# Altium PCB PCB3.PcbDoc
Units mm, origin at the board's own origin, x right, y up, seen from the top; angles counter-clockwise.
Board outline 199.97 x 144.74 mm, 2 copper layers (Top Layer, Bottom Layer); 209 components, 192 nets, 715 pads, 0 vias.
Unrouted connection lines stored in the file: 476.
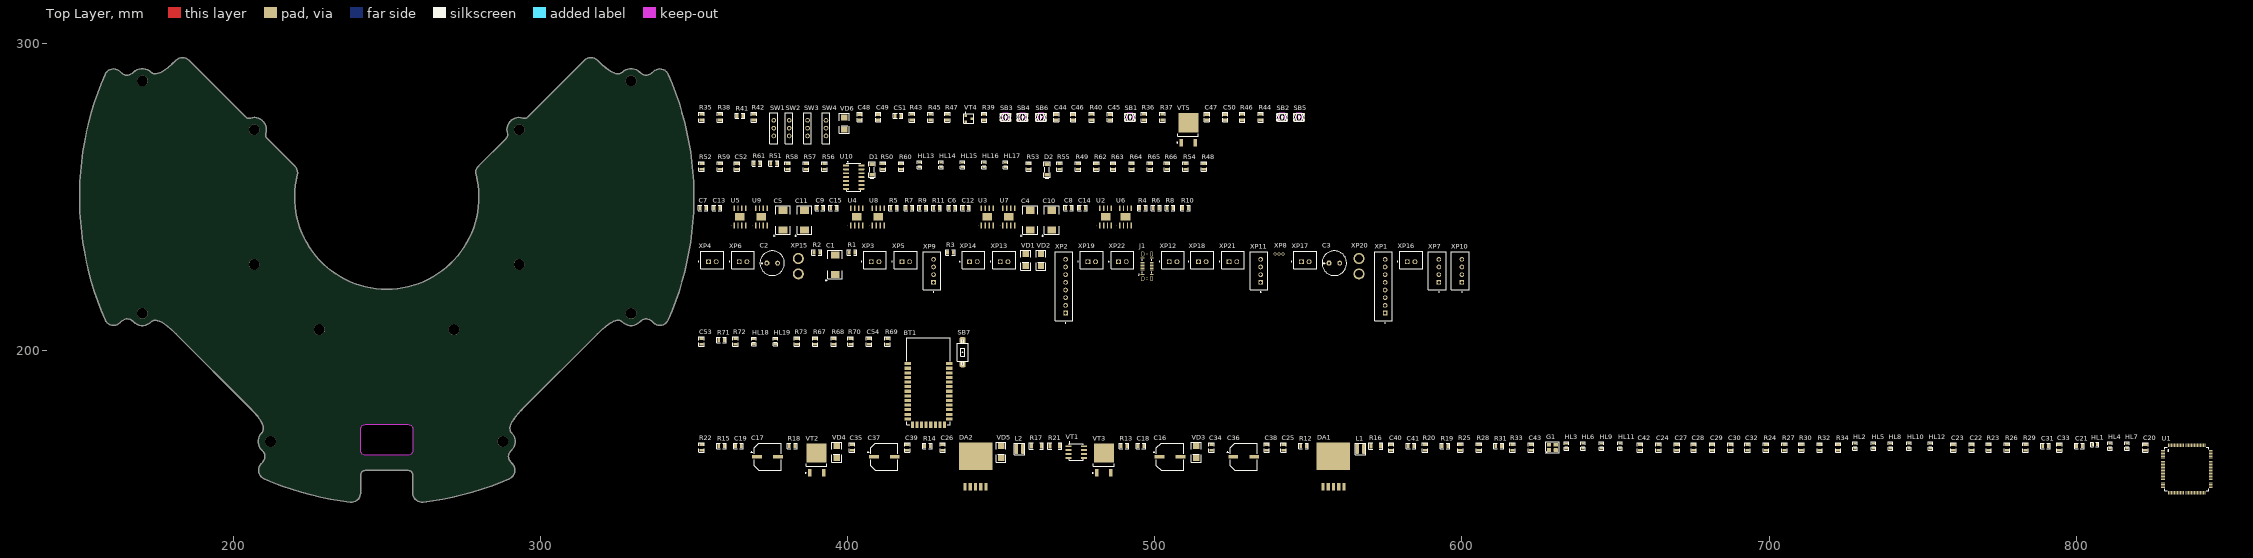
[diagram p0: Top Layer view]
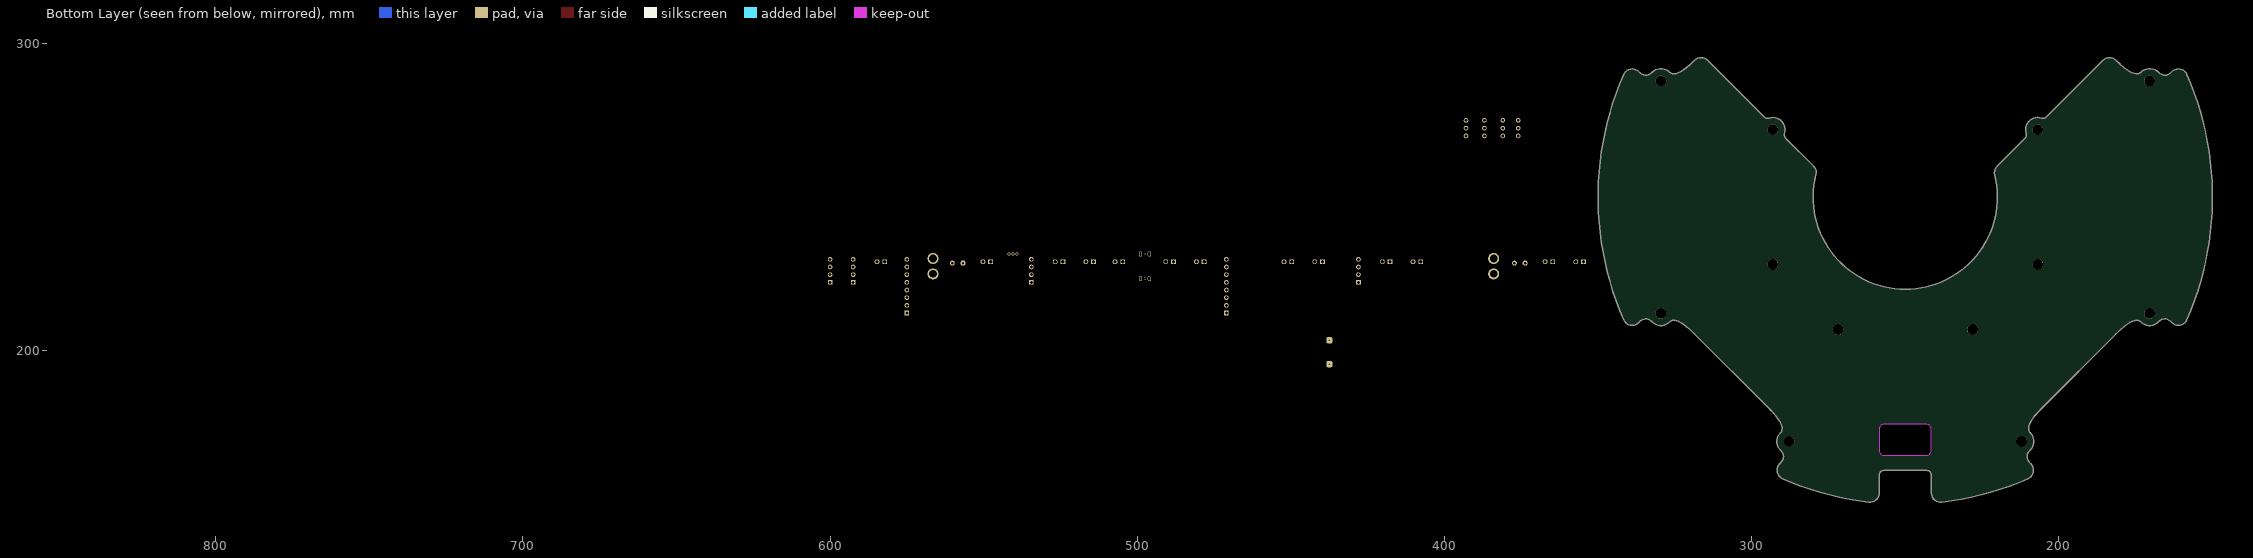
[diagram p1: Bottom Layer view, seen from below]

## Layer stack, top to bottom
Top Solder: solder mask 0.0102, Solder Resist, Dk 3.5
Top Layer: signal copper 0.0356
Dielectric 1: dielectric 0.32, FR-4, Dk 4.8
Bottom Layer: signal copper 0.0356
Bottom Solder: solder mask 0.0102, Solder Resist, Dk 3.5

## Board outline
502 vertices, not listed, extent 150.013,150.691 349.987,295.426
cut-out: 257,166 243,166 242.666,166.038 242.349,166.149 242.065,166.327 241.827,166.565 241.649,166.849 241.538,167.166 241.5,167.5 241.5,174.5 241.538,174.834 241.649,175.151 241.827,175.435 242.065,175.673 242.349,175.851 242.666,175.962 243,176 257,176 257.334,175.962 257.651,175.851 257.935,175.673 258.173,175.435 258.351,175.151 258.462,174.834 258.5,174.5 258.5,167.5 258.462,167.166 258.351,166.849 258.173,166.565 257.935,166.327 257.651,166.149 257.334,166.038

## Design rules (kind name [scope] priority, off if disabled: settings)
Clearance [All] p1: gap=0.254 ignorepadtopadclearanceinfootprint=FALSE except(0: Arc-Hole Track-Hole SMDPad-Hole THPad-Hole Via-Hole Fill-Hole Poly-Hole Region-Hole Text-Hole)
PolygonConnect [All] p1: connectstyle=Relief reliefconductorwidth=0.254 reliefentries=4 polygonreliefangle="90 Angle" airgapwidth=0.254
RoomDefinition U_switches [InComponentClass('U_switches')] p1: confinementstyle=ConfineIn formatcopy=TRUE lockcomponents=FALSE outline 350.999,265.999 549.999,265.999 549.999,280.499 350.999,280.499
RoomDefinition U_indicator [InComponentClass('U_indicator')] p2: confinementstyle=ConfineIn formatcopy=TRUE lockcomponents=FALSE outline 350.999,251.499 519.999,251.499 519.999,264.999 350.999,264.999
RoomDefinition U_drv [InComponentClass('U_drv')] p3: confinementstyle=ConfineIn formatcopy=TRUE lockcomponents=FALSE outline 350.999,236.5 512.999,236.5 512.999,250.499 350.999,250.499
RoomDefinition U_connectors [InComponentClass('U_connectors')] p4: confinementstyle=ConfineIn formatcopy=TRUE lockcomponents=FALSE outline 350.999,208.5 602.999,208.5 602.999,236 350.999,236
RoomDefinition U_bluetooth [InComponentClass('U_bluetooth')] p5: confinementstyle=ConfineIn formatcopy=TRUE lockcomponents=FALSE outline 350.999,174 440.499,174 440.499,207.5 350.999,207.5
RoomDefinition main [InComponentClass('main')] p6: confinementstyle=ConfineIn formatcopy=TRUE lockcomponents=FALSE outline 350.999,152.5 844.998,152.5 844.998,173.5 350.999,173.5
RoutingVias [All] p1: holewidth=0.711 width=1.27 viastyle="Through Hole" minholewidth=0.711 minwidth=1.27 maxholewidth=0.711 maxwidth=1.27
SolderMaskExpansion [All] p1: expansion=0.102
Width [All] p1: maxlimit=0.254 minlimit=0.254 preferedwidth=0.254
30 further rules are at their usual default settings.

## Classes and differential pairs
component class U_switches: C44 C45 C46 C47 C48 C49 C50 C51 R35 R36 R37 R38 R39 R40 R41 R42 R43 R44 R45 R46 R47 SB1 SB2 SB3 SB4 SB5 SB6 SW1 SW2 SW3 SW4 VD6 VT4 VT5
component class U_indicator: C52 D1 D2 HL13 HL14 HL15 HL16 HL17 R48 R49 R50 R51 R52 R53 R54 R55 R56 R57 R58 R59 R60 R61 R62 R63 R64 R65 R66 U10
component class U_drv: C4 C5 C6 C7 C8 C9 C10 C11 C12 C13 C14 C15 R4 R5 R6 R7 R8 R9 R10 R11 U2 U3 U4 U5 U6 U7 U8 U9
component class U_connectors: C1 C2 C3 J1 R1 R2 R3 VD1 VD2 XP1 XP2 XP3 XP4 XP5 XP6 XP7 XP8 XP9 XP10 XP11 XP12 XP13 XP14 XP15 XP16 XP17 XP18 XP19 XP20 XP21 XP22
component class U_bluetooth: BT1 C53 C54 HL18 HL19 R67 R68 R69 R70 R71 R72 R73 SB7
component class main: C16 C17 C18 C19 C20 C21 C22 C23 C24 C25 C26 C27 C28 C29 C30 C31 C32 C33 C34 C35 C36 C37 C38 C39 C40 C41 C42 C43 DA1 DA2 G1 HL1 HL2 HL3 HL4 HL5 HL6 HL7 HL8 HL9 HL10 HL11 HL12 L1 L2 R12 R13 R14 R15 R16 R17 R18 R19 R20 R21 R22 R23 R24 R25 R26 R27 R28 R29 R30 R31 R32 R33 R34 U1 VD3 VD4 VD5 VT1 VT2 VT3

## Components (designator, comment, footprint, x,y, rotation, side; value= is the part's Value field where it differs from the comment)
BT1 "HC-05" HC-05 426.499,189 r0 top
C1 "47uF" CAP_TANT_D 395.999,228 r90 top
C2 "470uF" D8C3.5H12 375.499,228.5 r0 top
C3 "25v 470uF" D8C3.5H12 558.499,228.5 r0 top
C4 "25v 47uF" CAP_TANT_D 459.499,242.5 r90 top
C5 "25v 47uF" CAP_TANT_D 378.999,242.5 r90 top
C6 "0.1uF" CAP0805 433.999,246.5 r0 top
C7 "0.1uF" CAP0805 352.999,246.5 r0 top
C8 "0.1uF" CAP0805 471.999,246.5 r0 top
C9 "0.1uF" CAP0805 390.999,246.5 r0 top
C10 "25v 47uF" CAP_TANT_D 466.499,242.5 r90 top
C11 "25v 47uF" CAP_TANT_D 385.999,242.5 r90 top
C12 "0.1uF" CAP0805 438.499,246.5 r0 top
C13 "0.1uF" CAP0805 357.499,246.5 r0 top
C14 "0.1uF" CAP0805 476.499,246.5 r0 top
C15 "0.1uF" CAP0805 395.499,246.5 r0 top
C16 "220uF" D8C3.2H12 504.999,165.5 r0 top
C17 "220uF" D8C3.2H12 373.999,165.5 r0 top
C18 "1uF" CAP0805 495.499,169 r0 top
C19 "1uF" CAP0805 364.499,169 r0 top
C20 "1uF" CAP0805 822.498,168.5 r90 top
C21 "0.1uF" CAP0805 800.998,169 r0 top
C22 "1uF" CAP0805 765.998,168.5 r90 top
C23 "0.1uF" CAP0805 759.998,168.5 r90 top
C24 "0.1uF" CAP0805 663.999,168.5 r90 top
C25 "1uF" CAP0805 541.999,168.5 r90 top
C26 "1uF" CAP0805 430.999,168.5 r90 top
C27 "0.1uF" CAP0805 669.999,168.5 r90 top
C28 "0.1uF" CAP0805 675.499,168.5 r90 top
C29 "0.1uF" CAP0805 681.499,168.5 r90 top
C30 "0.1uF" CAP0805 687.499,168.5 r90 top
C31 "0.1uF" CAP0805 789.998,169 r0 top
C32 "0.1uF" CAP0805 692.999,168.5 r90 top
C33 "1uF" CAP0805 794.498,168.5 r90 top
C34 "1uF" CAP0805 518.499,168.5 r90 top
C35 "1uF" CAP0805 401.499,168.5 r90 top
C36 "330uF" D8C3.2H12 528.999,165.5 r0 top
C37 "330uF" D8C3.2H12 411.999,165.5 r0 top
C38 "33nF" CAP0805 536.499,168.5 r90 top
C39 "33nF" CAP0805 419.499,168.5 r90 top
C40 "2.2uF" CAP0805 576.999,168.5 r90 top
C41 "2.2uF" CAP0805 583.499,169 r0 top
C42 "20pF" CAP0805 657.999,168.5 r90 top
C43 "20pF" CAP0805 622.499,168.5 r90 top
C44 "1uF" CAP0805 467.999,275.999 r90 top
C45 "0.1uF" CAP0805 485.499,275.999 r90 top
C46 "10uF" CAP0805 473.499,275.999 r90 top
C47 "1uF" CAP0805 516.999,275.999 r90 top
C48 "1uF" CAP0805 403.999,275.999 r90 top
C49 "1uF" CAP0805 409.999,275.999 r90 top
C50 "1uF" CAP0805 522.999,275.999 r90 top
C51 "1uF" CAP0805 416.499,276.499 r0 top
C52 "0.1uF" CAP0805 363.999,259.999 r90 top
C53 "0.1uF" CAP0805 352.499,203 r90 top
C54 "0.1uF" CAP0805 406.999,203 r90 top
D1 "3.3V" SOD-80 407.999,258.999 r90 top
D2 "8.2V" SOD-80 464.999,258.999 r90 top
DA1 "XL4015" TO263-5L 557.999,162 r0 top
DA2 "XL4015" TO263-5L 441.499,162 r0 top
G1 "8 MHz" TSX-3225 629.499,168.5 r0 top
HL1 "LED1" LED0603_WHITE 805.998,169.5 r0 top
HL2 "BG" LED0603_WHITE 727.999,169 r90 top
HL3 "48V" LED0603_GREEN 633.999,169 r90 top
HL4 "LED2" LED0603_WHITE 810.998,169 r90 top
HL5 "YG" LED0603_WHITE 733.999,169 r90 top
HL6 "12V" LED0603_GREEN 639.499,169 r90 top
HL7 "LED3" LED0603_WHITE 816.498,169 r90 top
HL8 "ST" LED0603_WHITE 739.499,169 r90 top
HL9 "5V" LED0603_GREEN 645.499,169 r90 top
HL10 "GK" LED0603_WHITE 745.499,169 r90 top
HL11 "3V3" LED0603_GREEN 651.499,169 r90 top
HL12 "M_ON" LED0603_RED 752.498,169 r90 top
HL13 "White" LED0603_GREEN 423.499,260.499 r90 top
HL14 "White" LED0603_GREEN 430.499,260.499 r90 top
HL15 "White" LED0603_GREEN 437.499,260.499 r90 top
HL16 "White" LED0603_GREEN 444.499,260.499 r90 top
HL17 "Red" LED0603_RED 451.499,260.499 r90 top
HL18 "White" LED0603_WHITE 369.499,203 r90 top
HL19 "White" LED0603_WHITE 376.499,203 r90 top
J1 "USB" USB-C 497.499,227.5 r90 top
L1 "47uH" VLS3012HBX 566.999,168 r0 top
L2 "47uH" VLS3012HBX 455.999,168 r0 top
R1 "70R" RES0805 401.499,232 r0 top
R2 "10K" RES0805 389.999,232 r0 top
R3 "10K" RES0805 433.499,232 r0 top
R4 "10K" RES0805 495.999,246.5 r0 top
R5 "10K" RES0805 414.999,246.5 r0 top
R6 "10K" RES0805 500.499,246.5 r0 top
R7 "10K" RES0805 419.999,246.5 r0 top
R8 "10K" RES0805 504.999,246.5 r0 top
R9 "10K" RES0805 424.499,246.5 r0 top
R10 "10K" RES0805 509.999,246.5 r0 top
R11 "10K" RES0805 428.999,246.5 r0 top
R12 "22K" RES0805 548.499,169 r0 top
R13 "13K" RES0805 489.999,169 r0 top
R14 "30K" RES0805 425.999,169 r0 top
R15 "10K" RES0805 358.999,169 r0 top
R16 "0R" RES1206 571.999,169 r0 top
R17 "0R" RES1206 461.499,169 r0 top
R18 "10K" RES0805 381.999,169 r0 top
R19 "10K" RES0805 594.499,169 r0 top
R20 "10K" RES0805 587.999,168.5 r90 top
R21 "15R" RES1206 467.499,169 r0 top
R22 "10K" RES0805 352.499,168.5 r90 top
R23 "1K" RES0805 771.498,168.5 r90 top
R24 "1K" RES0805 698.999,168.5 r90 top
R25 "22K" RES0805 599.499,168.5 r90 top
R26 "1K" RES0805 777.498,168.5 r90 top
R27 "1K" RES0805 704.999,168.5 r90 top
R28 "4.7K" RES0805 605.499,168.5 r90 top
R29 "1K" RES0805 783.498,168.5 r90 top
R30 "1K" RES0805 710.499,168.5 r90 top
R31 "1.5K" RES0805 611.999,169 r0 top
R32 "1K" RES0805 716.499,168.5 r90 top
R33 "1K" RES0805 616.499,168.5 r90 top
R34 "1K" RES0805 722.499,168.5 r90 top
R35 "10K" RES0805 352.499,275.999 r90 top
R36 "10K" RES0805 496.499,275.999 r90 top
R37 "100K" RES0805 502.499,275.999 r90 top
R38 "10K" RES0805 358.499,275.999 r90 top
R39 "300K" RES0805 444.499,275.999 r90 top
R40 "100K" RES0805 479.499,275.999 r90 top
R41 "10K" RES0805 364.999,276.499 r0 top
R42 "10K" RES0805 369.499,275.999 r90 top
R43 "10K" RES0805 420.999,275.999 r90 top
R44 "10K" RES0805 534.499,275.999 r90 top
R45 "10K" RES0805 426.999,275.999 r90 top
R46 "10K" RES0805 528.499,275.999 r90 top
R47 "10K" RES0805 432.499,275.999 r90 top
R48 "1K" RES0805 515.999,259.999 r90 top
R49 "13K" RES0805 474.999,259.999 r90 top
R50 "1K" RES0805 411.499,259.999 r90 top
R51 "39K" RES0805 375.999,260.999 r0 top
R52 "11K" RES0805 352.499,259.999 r90 top
R53 "1K" RES0805 458.999,259.999 r90 top
R54 "10K" RES0805 509.999,259.999 r90 top
R55 "27K" RES0805 468.999,259.999 r90 top
R56 "1K" RES0805 392.499,259.999 r90 top
R57 "1K" RES0805 386.499,259.999 r90 top
R58 "1K" RES0805 380.499,259.999 r90 top
R59 "24K" RES0805 358.499,259.999 r90 top
R60 "10K" RES0805 417.499,259.999 r90 top
R61 "5.1K" RES0805 370.499,260.999 r0 top
R62 "1K" RES0805 480.999,259.999 r90 top
R63 "1K" RES0805 486.499,259.999 r90 top
R64 "1K" RES0805 492.499,259.999 r90 top
R65 "1K" RES0805 498.499,259.999 r90 top
R66 "4.7K" RES0805 503.999,259.999 r90 top
R67 "10K" RES0805 389.499,203 r90 top
R68 "10K" RES0805 395.499,203 r90 top
R69 "0R" RES0805 412.999,203 r90 top
R70 "0R" RES0805 400.999,203 r90 top
R71 "1K" RES0805 358.999,203.5 r0 top
R72 "1K" RES0805 363.499,203 r90 top
R73 "10K" RES0805 383.499,203 r90 top
SB1 "POWER" TL3700AF160QG 491.999,275.999 r0 top
SB2 "RESET" TL3700AF160QG 541.499,275.999 r0 top
SB3 "BTN1" TL3700AF160QG 451.499,275.999 r0 top
SB4 "BTN2" TL3700AF160QG 456.999,275.999 r0 top
SB5 "RESET_IMU" TL3700AF160QG 546.999,275.999 r0 top
SB6 "BTN3" TL3700AF160QG 462.999,275.999 r0 top
SB7 "#NAME?" "PTS636 SP43 LFS" 437.499,199.5 r90 top
SW1 "ESP1010" ESP1010 375.999,272.499 r90 top
SW2 "ESP1010" ESP1010 380.999,272.499 r90 top
SW3 "ESP1010" ESP1010 386.999,272.499 r90 top
SW4 "ESP1010" ESP1010 392.999,272.499 r90 top
U1 "STM32F407VGT6" LQFP100 835.998,161.5 r0 top
U2 "DRV8870" HSOP-8 483.999,243.5 r0 top
U3 "DRV8870" HSOP-8 445.499,243.5 r0 top
U4 "DRV8870" HSOP-8 402.999,243.5 r0 top
U5 "DRV8870" HSOP-8 364.999,243.5 r0 top
U6 "DRV8870" HSOP-8 490.499,243.5 r0 top
U7 "DRV8870" HSOP-8 452.499,243.5 r0 top
U8 "DRV8870" HSOP-8 409.999,243.5 r0 top
U9 "DRV8870" HSOP-8 371.999,243.5 r0 top
U10 "SOIC-14" SOIC-14 401.999,256.499 r0 top
VD1 "Diode TVS" "DO-214AC (SMA)" 457.999,229.5 r90 top
VD2 "Diode TVS" "DO-214AC (SMA)" 462.999,229.5 r90 top
VD3 "Diode Schottky" "DO-214AC (SMA)" 513.499,167 r90 top
VD4 "Diode Schottky" "DO-214AC (SMA)" 396.499,167 r90 top
VD5 "Diode Schottky" "DO-214AC (SMA)" 449.999,167 r90 top
VD6 "Diode Schottky" "DO-214AC (SMA)" 398.999,273.999 r90 top
VT1 "IRS4427" SOIC-8 474.499,167 r0 top
VT2 "STD30NF06L" DPAK 389.999,163.5 r90 top
VT3 "TPSTD10P6F6" DPAK 483.499,163.5 r90 top
VT4 "IRLML2502" SOT-23-3 439.499,275.499 r0 top
VT5 "FDD6637" DPAK 510.999,270.999 r90 top
XP1 "Line Board" JST_XH-8 574.999,221 r90 top
XP2 "Line Board" JST_XH-8 470.999,221 r90 top
XP3 "BALL_LED" JST_XH-2 408.999,229.5 r0 top
XP4 "CAP" JST_XH-2 355.999,229.5 r0 top
XP5 "BALL_SEN" JST_XH-2 418.999,229.5 r0 top
XP6 "Solenoid" JST_XH-2 365.999,229.5 r0 top
XP7 "HC-05" JST_XH-4 591.999,226 r90 top
XP8 "ST-Lnk" 3x1.27 540.499,231.5 r0 top
XP9 "OpenMV" JST_XH-4 427.499,226 r90 top
XP10 "IMU" JST_XH-4 599.499,226 r90 top
XP11 "HC-05" JST_XH-4 533.999,226 r90 top
XP12 "OpenMV" JST_XH-2 505.999,229.5 r0 top
XP13 "OpenMV" JST_XH-2 450.999,229.5 r0 top
XP14 "ESC_IN" JST_XH-2 440.999,229.5 r0 top
XP15 "ESC_PWR" XT30_3D 383.999,227.5 r90 top
XP16 "M1" JST_XH-2 583.499,229.5 r0 top
XP17 "M2" JST_XH-2 548.999,229.5 r0 top
XP18 "M3" JST_XH-2 515.499,229.5 r0 top
XP19 "M4" JST_XH-2 479.499,229.5 r0 top
XP20 "XT30" XT30_3D 566.499,227.5 r90 top
XP21 "XL6009 IN" JST_XH-2 525.499,229.5 r0 top
XP22 "XL6009 OUT" JST_XH-2 489.499,229.5 r0 top

## Footprints (in the part's own frame and the unit in brackets; to place one, negate y for a bottom-side part, rotate by r counter-clockwise, add the part's x,y. Pads: shape width x height; smd on the part's side, far side on the other; paste and mask are expansions set on the pad)
3x1.27 [mm]
  round 1 hole 0.6: 1(-1.27,0) 2(0,0) 3(1.27,0)
  body extent -1.9,-1.23 1.9,1.27, height 4.1
CAP0805 [mm] "SMD ceramic capacitor 0805"
  rect 0.9x1.397 smd: 1(-0.929,0.006) 2(0.931,0.006)
  silkscreen extent -1.55,-0.88 1.55,0.88, body extent -1,-0.63 1,0.62, height 1.24
CAP_TANT_D [mil]
  rect 90x110 smd: 1(126.76,-0.24) 2(-125.2,-0.24)
  silkscreen extent -211,-94 184,125, body extent -148,-89 148,89, height 122
D8C3.2H12 [mm]
  rect 3.2x1.2 smd: 1(-3.4,0) 2(3.4,0)
  round 0.5 on Mech1: ""(-4.3,-3.7)
  silkscreen extent -5.5,-4.4 4.4,4.4, body extent -4.85,-4.25 4.85,4.25, height 10.5
D8C3.5H12 [mm] "Polar capacitor, diameter 8 mm, leads clearance 3.5 mm, height 12 mm"
  oct 1.6x1.6 hole 0.8: 1(-1.75,0)
  round 1.6 hole 0.8: 2(1.75,0)
  silkscreen extent -4,-4 4,4, body extent -4.25,-4.25 4.25,4.25, height 13
"DO-214AC (SMA)" [mm] "SMA"
  rrect0% 2x2.1 smd: A(1.95,0.003) K(-1.95,0.003)
  silkscreen extent -3.25,-1.6 3.22,1.6, body extent -2.65,-1.4 2.65,1.4, height 2.3
DPAK [mm] "TO-252"
  rect 6.25x6.5 smd: D(3.219,0.034)
  rect 2.5x1.2 smd: G(-3.281,2.324) S(-3.281,-2.256)
  round 0.5 on Mech1: ""(-3.231,2.934)
  silkscreen extent -3.41,-3.27 -0.33,3.75, body extent -3.83,-3.28 6.27,3.45, height 2.37
ESP1010 [mm] "Slide switch"
  round 1.5 hole 0.9: 1(-2.596,-0.014) 2(-0.056,-0.014) 3(2.484,-0.014)
  silkscreen extent -5.06,-1.24 4.94,1.26, body extent -5.06,-1.24 4.94,1.26, height 6.55
HC-05 [mm] "Bluetooth HC-05"
  rect 2.2x1 smd: 1(-6.886,6.787) 2(-6.886,5.287) 3(-6.886,3.787) 4(-6.886,2.287) 5(-6.886,0.787) 6(-6.886,-0.713) 7(-6.886,-2.213) 8(-6.886,-3.713) 9(-6.886,-5.213) 10(-6.886,-6.713) 11(-6.886,-8.213) 12(-6.886,-9.713) 13(-6.886,-11.213) 22(6.614,-11.213) 23(6.614,-9.713) 24(6.614,-8.213) 25(6.614,-6.713) 26(6.614,-5.213) 27(6.614,-3.713) 28(6.614,-2.213) 29(6.614,-0.713) 30(6.614,0.787) 31(6.614,2.287) 32(6.614,3.787) 33(6.614,5.287) 34(6.614,6.787)
  rect 1x2.2 smd: 14(-5.386,-13.113) 15(-3.886,-13.113) 16(-2.386,-13.113) 17(-0.886,-13.113) 18(0.614,-13.113) 19(2.114,-13.113) 20(3.614,-13.113) 21(5.114,-13.113)
  round 0.5 on Mech1: 33(-6.586,7.787)
  round 0.5 on Top Overlay: 34(-7.686,7.787)
  silkscreen extent -7.19,-13.06 7.01,15.14, body extent -6.55,-12.95 6.45,13.95, height 2.2
HSOP-8 [mm]
  rect 0.45x1.9 smd: 1(-1.897,-2.75) 2(-0.627,-2.75) 3(0.643,-2.75) 4(1.913,-2.75) 5(1.913,2.85) 6(0.643,2.85) 7(-0.627,2.85) 8(-1.897,2.85)
  rect 3.1x2.4 smd: 9(0.008,0.05)
  body extent -2.44,-2.9 2.46,3, height 1.46
JST_XH-2 [mm] "JST_B2B-XH-A(LF)(SN)"
  rect 1.575x1.575 / inner round 1.575 / far side rect 1.575x1.575 hole 1.05: 1(-1.25,-0.525)
  round 1.575 hole 1.05: 2(1.25,-0.525)
  silkscreen extent -4.55,-2.88 3.7,2.88, body extent -3.7,-2.88 3.7,2.88, height 7
JST_XH-4 [mm] "JST_B4B-XH-A(LF)(SN)"
  rect 1.508x1.508 / inner round 1.508 / far side rect 1.508x1.508 hole 1: 1(-3.75,-0.525)
  round 1.508 hole 1: 2(-1.25,-0.525) 3(1.25,-0.525) 4(3.75,-0.525)
  silkscreen extent -7.05,-2.88 6.2,2.88, body extent -6.2,-2.88 6.2,2.88, height 7
JST_XH-8 [mm] "JST_B8B-XH-A(LF)(SN)"
  rect 1.508x1.508 hole 1: 1(-8.75,-0.017)
  round 1.508 hole 1: 2(-6.25,-0.017) 3(-3.75,-0.017) 4(-1.25,-0.017) 5(1.25,-0.017) 6(3.75,-0.017) 7(6.25,-0.017) 8(8.75,-0.017)
  silkscreen extent -12.05,-2.37 11.2,3.38, body extent -11.2,-2.37 11.2,3.38, height 7
LED0603_GREEN [mm] "Green SMD LED"
  rect 0.7x1 smd: 1(-0.75,0) 2(0.75,0)
  silkscreen extent -1.33,-0.73 1.33,0.73, body extent -0.8,-0.4 0.8,0.4, height 0.6
LED0603_RED [mm] "Red SMD LED"
  rect 0.7x1 smd: 1(-0.75,0) 2(0.75,0)
  silkscreen extent -1.33,-0.73 1.33,0.73, body extent -0.82,-0.4 0.78,0.4, height 0.6
LED0603_WHITE [mm] "White SMD LED"
  rect 0.7x1 smd: 1(-0.75,0) 2(0.75,0)
  silkscreen extent -1.33,-0.73 1.33,0.73, body extent -0.8,-0.4 0.8,0.4, height 0.75
LQFP100 [mm] "Microcontroller"
  rect 1.2x0.3 smd: 1(-7.75,6) 2(-7.75,5.5) 3(-7.75,5) 4(-7.75,4.5) 5(-7.75,4) 6(-7.75,3.5) 7(-7.75,3) 8(-7.75,2.5) 9(-7.75,2) 10(-7.75,1.5) 11(-7.75,1) 12(-7.75,0.5) 13(-7.75,0) 14(-7.75,-0.5) 15(-7.75,-1) 16(-7.75,-1.5) 17(-7.75,-2) 18(-7.75,-2.5) 19(-7.75,-3) 20(-7.75,-3.5) 21(-7.75,-4) 22(-7.75,-4.5) 23(-7.75,-5) 24(-7.75,-5.5) 25(-7.75,-6) 51(7.75,-6) 52(7.75,-5.5) 53(7.75,-5) 54(7.75,-4.5) 55(7.75,-4) 56(7.75,-3.5) 57(7.75,-3) 58(7.75,-2.5) 59(7.75,-2) 60(7.75,-1.5) 61(7.75,-1) 62(7.75,-0.5) 63(7.75,0) 64(7.75,0.5) 65(7.75,1) 66(7.75,1.5) 67(7.75,2) 68(7.75,2.5) 69(7.75,3) 70(7.75,3.5) 71(7.75,4) 72(7.75,4.5) 73(7.75,5) 74(7.75,5.5) 75(7.75,6)
  rect 0.3x1.2 smd: 26(-6,-7.75) 27(-5.5,-7.75) 28(-5,-7.75) 29(-4.5,-7.75) 30(-4,-7.75) 31(-3.5,-7.75) 32(-3,-7.75) 33(-2.5,-7.75) 34(-2,-7.75) 35(-1.5,-7.75) 36(-1,-7.75) 37(-0.5,-7.75) 38(0,-7.75) 39(0.5,-7.75) 40(1,-7.75) 41(1.5,-7.75) 42(2,-7.75) 43(2.5,-7.75) 44(3,-7.75) 45(3.5,-7.75) 46(4,-7.75) 47(4.5,-7.75) 48(5,-7.75) 49(5.5,-7.75) 50(6,-7.75) 76(6,7.75) 77(5.5,7.75) 78(5,7.75) 79(4.5,7.75) 80(4,7.75) 81(3.5,7.75) 82(3,7.75) 83(2.5,7.75) 84(2,7.75) 85(1.5,7.75) 86(1,7.75) 87(0.5,7.75) 88(0,7.75) 89(-0.5,7.75) 90(-1,7.75) 91(-1.5,7.75) 92(-2,7.75) 93(-2.5,7.75) 94(-3,7.75) 95(-3.5,7.75) 96(-4,7.75) 97(-4.5,7.75) 98(-5,7.75) 99(-5.5,7.75) 100(-6,7.75)
  silkscreen extent -7.1,-7.1 7.1,7.1, body extent -8.03,-8 7.97,8, height 1.6
"PTS636 SP43 LFS" [mm]
  rrect50% 2x2 hole 0.5: 1(-3.9,0) 2(3.9,0)
  silkscreen extent -4,-1.8 4,1.8
RES0805 [mm] "SMD resistor 0805"
  rect 0.9x1.397 smd: 1(-0.938,-0.02) 2(0.942,-0.02)
  silkscreen extent -1.58,-0.9 1.58,0.85, body extent -1,-0.63 1,0.62, height 0.5
RES1206 [mm] "SMD resistor 1206"
  rect 1x1.77 smd: 1(-1.6,0) 2(1.6,0)
  silkscreen extent -2.27,-1.08 2.27,1.08, body extent -1.6,-0.8 1.6,0.8, height 0.55
SOD-80 [mm]
  rect 1.11x1.73 smd: A(1.67,0.022) K(-1.74,0.022)
  silkscreen extent -2.8,-1.09 2.47,1.14, body extent -1.79,-0.78 1.71,0.82, height 1.6
SOIC-8 [mm] "SOIC-8"
  rrect25% 1.97x0.6 smd: 1(-2.498,1.907) 2(-2.498,0.637) 3(-2.498,-0.633) 4(-2.498,-1.903) 5(2.442,-1.903) 6(2.442,-0.633) 7(2.442,0.637) 8(2.442,1.907)
  silkscreen extent -2.3,-2.7 2.3,3.3, body extent -2.95,-2.45 2.95,2.45, height 1.5
SOIC-14 [mm] "SOIC-14"
  rrect50% 1.97x0.6 smd: 1(-2.441,3.804) 2(-2.441,2.534) 3(-2.441,1.264) 4(-2.441,-0.006) 5(-2.441,-1.276) 6(-2.441,-2.546) 7(-2.441,-3.816) 8(2.509,-3.816) 9(2.509,-2.546) 10(2.509,-1.276) 11(2.509,-0.006) 12(2.509,1.264) 13(2.509,2.534) 14(2.509,3.804)
  silkscreen extent -2.2,-4.57 2.3,5.1, body extent -4.7,-4.33 3.03,4.32, height 1.75
SOT-23-3 [mm]
  rect 0.8x0.8 smd: D(0.967,0.043)
  rect 0.9x0.8 smd: G(-1.033,0.993) S(-1.033,-0.907)
  silkscreen extent -1.68,-1.51 1.57,2.14, body extent -1.18,-1.46 1.12,1.54, height 1.1
TL3700AF160QG [mm] "SWITCH TACTILE SPST-NO 0.02A 15V"
  rect 0.8x0.8 smd: 1(-1.5,1) 2(1.5,1) 3(-1.5,-1) 4(1.5,-1)
  Top Layer keep-out region: -0.9,-1.3 0.9,-1.3 0.9,1.3 -0.9,1.3
  silkscreen extent -1.7,-1.3 1.7,1.3, body extent -1.7,-1.3 1.7,1.3, height 0.65
TO263-5L [mm]
  rect 1.05x2.5 smd: 1(-3.199,-6.264) 2(-1.499,-6.264) 3(0.201,-6.264) 4(1.901,-6.264) 5(3.601,-6.264)
  rect 10.9x9.1 smd: 3(0.201,3.636)
  body extent -4.88,-6.93 5.28,7.74, height 4.83
TSX-3225 [mm]
  round 0.508 on Mech15: 0(0,0)
  rrect25% 1.4x1.2 smd: 1(-1.1,-0.85) 2(1.1,-0.85) 3(1.1,0.85) 4(-1.1,0.85)
  silkscreen extent -2.26,-1.88 2.16,1.78, body extent -1.65,-1.3 1.65,1.3, height 0.8
USB-C [mm] "USB4145-04-0070-C"
  rect 0.3x1.15 smd: A1(-2.77,1.46) A4(-1.27,1.46) A5(-0.77,1.46) A6(-0.27,1.46) A7(0.23,1.46) A8(0.73,1.46) A9(1.23,1.46) A12(2.73,1.46) B1(2.73,-1.51) B4(1.23,-1.51) B5(0.73,-1.51) B6(0.23,-1.51) B7(-0.27,-1.51) B8(-0.77,-1.51) B9(-1.27,-1.51) B12(-2.77,-1.51)
  oval 1.6x1.1 hole 0.6 slot 1.1 at 0 deg: S1(-4.02,1.405) S2(3.98,1.405) S3(-4.02,-1.455) S4(3.98,-1.455)
  round 0.71 hole 0.71 unplated: ""(-4.02,-0.025) ""(3.98,-0.025)
  silkscreen extent -2.87,-1.61 2.26,2.73, body extent -4.5,-1.87 4.45,1.82, height 7.46
VLS3012HBX [mm]
  rrect50% 1x3.4 smd: 1(-1.05,0)
  rrect70% 1x3.4 smd: 2(1.05,0)
  silkscreen extent -1.72,-1.85 1.73,1.88, body extent -1.5,-1.52 1.47,1.52, height 1.2
XT30_3D [mm]
  round 3.6 hole 2.5 paste+6: 1(-2.5,0) 2(2.5,0)
  body extent -5.23,-2.58 5.23,2.67, height 13

## Part data
BT1: "Bluetooth HC-05", ComponentLink1Description=Chipdip, ComponentLink1URL=https://www.chipdip.ru/product0/8020390968
C1 C4 C5 C10 C11: library part "CAP Tantal", "Tantal SMD Cap"
C2 C36 C37: library part "Cap Aluminum", "25V"
C3: library part "Cap Aluminum"
C6 C7 C8 C9 C12 C13 C14 C15 C18 C19 C20 C21 C22 C23 C24 C25 C26 C27 C28 C29 C30 C31 C32 C33 C34 C35 C38 C39 C40 C41 C42 C43 C44 C45 C46 C47 C48 C49 C50 C51 C52 C53 C54: library part "CAP Ceramic", "Ceramic SMD Cap"
C16 C17: library part "Cap Aluminum", "50V"
D1 D2: library part "Diode Zener", "Zener Diode / BZV55C8V2"
DA1 DA2: "Buck converter"
G1: library part "TSX-3225 24.0000MF15X-AC6", "24MHz ±10ppm Crystal 9pF 40 Ohms 4-SMD, No Lead", Digi-Key Part Number=SER4180CT-ND, HelpURL=https://www.digikey.com/en/products/detail/epson/TSX-3225-24-0000MF15X-AC6/5261221, Manufacturer Part Number="TSX-3225 24.0000MF15X-AC6", Part Number="TSX-3225 24.0000MF15X-AC6", Price$=0.33
HL1 HL2 HL3 HL4 HL5 HL6 HL7 HL8 HL9 HL10 HL11 HL12 HL13 HL14 HL15 HL16 HL17 HL18 HL19: library part LED, "LED smd"
J1: library part USB-C, "USB4145-04-0070-C"
L1 L2: library part Inductor, "5A"
R1 R2 R3 R4 R5 R6 R7 R8 R9 R10 R11 R12 R13 R14 R15 R16 R17 R18 R19 R20 R21 R22 R23 R24 R25 R26 R27 R28 R29 R30 R31 R32 R33 R34 R35 R36 R37 R38 R39 R40 R41 R42 R43 R44 R45 R46 R47 R48 R49 R50 R51 R52 R53 R54 R55 R56 R57 R58 R59 R60 R61 R62 R63 R64 R65 R66 R67 R68 R69 R70 R71 R72 R73: library part RES, "RES smd"
SB1 SB2 SB3 SB4 SB5 SB6: library part TL3700AF160QG, "SWITCH TACTILE SPST-NO 0.02A 15V", Digi-Key Part Number=EG4919CT-ND, HelpURL=https://www.digikey.com/product-detail/en/e-switch/TL3700AF160QG/EG4919CT-ND/2538592, Part Number=TL3700AF160QG
SB7: library part "PTS636 SP43 LFS", "TACT 6.0 X 3.5, 4.3 MM H, 320GF,", Digi-Key Part Number=CKN12304-ND, HelpURL=https://www.digikey.com/product-detail/en/c-k/PTS636-SP43-LFS/CKN12304-ND/10071717, Manufacturer Part Number="PTS636 SP43 LFS", Part Number="PTS636 SP43 LFS", Price$=0.1
SW1 SW2 SW3 SW4: "2 pos switch", ComponentLink1Description=Chipdip, ComponentLink1URL=https://www.chipdip.ru/product0/8007034319
U1: "ARM Cortex-M4 32-bit MCU+FPU, 210 DMIPS, 1024 kB Flash, 192 kB Internal RAM, 82 I/Os, 100-pin LQFP, -40 to 85 degC, Tray", I/Os (High Current)=82, Manufacturer=STMicroelectronics, Operating Frequency(F) (Processor speed) (MHz)=168, Supplier Part Number 1=497-11605-ND, Supply Voltage(Vcc) max (V)=3.6, Supply Voltage(Vcc) min (V)=1.8, ComponentLink1Description="Manufacturer URL", ComponentLink1URL=http://www.st.com/web/en/home.html, ComponentLink2Description=Datasheet, ComponentLink2URL=http://www.st.com/st-web-ui/static/active/en/resource/technical/document/datasheet/DM00037051.pdf, ComponentLink3Description="Package Specification", ComponentLink3URL=http://www.st.com/st-web-ui/static/active/en/resource/technical/document/data_brief/DM00071938.pdf, Core="ARM Cortex-M4", D/A Converter=2x12-bit, DatasheetVersion="Rev. 4", FLASH Size (Prog) (kB)=1024, Internal RAM Size (kB)=192, Mounting Technology="Surface Mount", PackageDescription="100-Pin Low Profile Quad Flat Package, 14 x 14 mm Body, 0.5 mm Pitch", PackageReference=LQFP100, PackageVersion="Rev. 1, 06/2013", Packing=Tray, PartNumber=STM32F407VGT6, Supplier 1=Digi-Key, Supplier 2=Farnell, Supplier 3=Newark, Supplier 4=Mouser, Supplier Part Number 2=2064368, Supplier Part Number 3=73T2333, Supplier Part Number 4=511-STM32F407VGT6
U2 U3 U4 U5 U6 U7 U8 U9: "DC motor driver 3.6A"
U10: library part LM139DR, "Quad differential comparator", ComponentLink1Description=Chipdip, ComponentLink1URL=https://www.chipdip.ru/product0/8013766664
VD1 VD2: "Protective diode"
VT1: "Mosfet driver"
VT2: "N-MOSFET / Uds = 60 V / Ids = 30 A / Rds = 0.023 Ohm / P = 55 W", ComponentLink1Description=Chipdip, ComponentLink1URL=https://www.chipdip.ru/product/std30nf06l-umw
VT3: "P-MOSFET / Uds = 60 V / Ids = 13 A / Rds = 0.100 Ohm / P = 60 W", ComponentLink1Description=Chipdip, ComponentLink1URL=https://www.chipdip.ru/product/tpstd10p6f6
VT4: "N-MOSFET / Uds = 20 V / Ids = 4.2 A / Rds = 0.035 Ohm / P = 8 W", ComponentLink1Description=Chipdip, ComponentLink1URL=https://www.chipdip.ru/product/irlml2502-umw
VT5: "P-MOSFET / Uds = 40 V / Ids = 40 A / Rds = 0.012 Ohm / P = 3.0 W", ComponentLink1Description=Chipdip, ComponentLink1URL=https://www.chipdip.ru/product/fdd6637-vbsemi
XP1 XP2: library part JST-XH-8, "JST_B8B-XH-A(LF)(SN)"
XP3 XP4 XP5 XP6 XP12 XP13 XP14 XP16 XP17 XP18 XP19 XP21 XP22: library part JST-XH-2, "JST_B2B-XH-A(LF)(SN)"
XP7 XP9 XP10 XP11: library part JST_XH-4, "JST_B4B-XH-A(LF)(SN)"
XP8: library part "Header 3"
XP15 XP20: library part "Power connectors"

## Free pads (board coordinates)
  round 3.5 hole 3.5: 1(170.45,287.83) 1(170.45,212.17) 1(206.867,228.08) 1(206.867,271.92) 1(212.17,170.45) 1(228.08,206.866) 1(271.92,206.866) 1(287.83,170.45) 1(293.134,228.08) 1(293.134,271.92) 1(329.55,212.17) 1(329.55,287.83)

## Nets (pads, with @x,y where several pads share a name; then routed paths per layer and width w, separated by ;. In a path a pad name is that pad's centre, name@x,y a point inside that pad or via, vN(x,y) a via of type N, cw(c..) or ccw(c..) an arc to the next point about the centre after c; other vN are vias at no path point)
+3V3: BT1.12 C20.1 C21.1 C22.1 C23.1 C24.1 C27.1 C28.1 C29.1 C30.1 C31.2 C32.1 C33.2 C48.1 C49.1 C50.1 C51.1 C53.2 C54.1 HL11.2 R1.2 R4.2 R5.2 R6.2 R7.2 R8.2 R9.2 R10.2 R11.2 R16.2 R20.1 R44.2 R62.2 R63.2 R64.2 R65.2 SB3.1 SB3.2 SB4.1 SB4.2 SB5.1 SB5.2 SB6.1 SB6.2 SB7.2 SW1.1 SW2.1 SW3.1 SW4.1 U1.6 U1.11 U1.19 U1.21 U1.22 U1.28 U1.50 U1.75 U1.100 U2.4 U3.4 U4.4 U5.4 U6.4 U7.4 U8.4 U9.4 XP1.8 XP2.8 XP5.1 XP10.4 XP12.1
+5V: C1.2 HL9.2 R17.2 XP7.4 XP9.4 XP13.1
+12V: C2.1 C4.2 C5.2 C6.2 C7.2 C8.2 C9.2 C10.2 C11.2 C12.2 C13.2 C14.2 C15.2 C16.1 C17.1 C18.2 C19.2 C25.2 C26.2 C46.2 DA1.5 DA2.5 HL6.2 R40.2 R66.2 U2.5 U3.5 U4.5 U5.5 U6.5 U7.5 U8.5 U9.5 VT1.6 VT5.D XP15.2 XP21.1
+48V: HL3.2 VT3.S XP22.1
BALL_SEN: R2.2 U1.26 XP5.2
BG_LED: HL2.2 U1.41
BT_RESET: BT1.34@433.113,195.787 C54.2 R73.2 SB7.1 U1.80
BT_RX: R67.2 R70.2 U1.78 XP7.3
BT_TX: R68.2 R69.2 U1.79 XP7.2
BTN1: C48.2 R43.2 SB3.3 SB3.4 U1.82
BTN2: C49.2 R45.2 SB4.3 SB4.4 U1.83
BTN3: C51.2 R47.2 SB6.3 SB6.4 U1.84
CAP: R48.2 VD5.K VT3.D XP4.1 XP6.1
CAP_ADC: R53.1
ESC_IN: R3.2 U1.25 XP14.2
FP1: XP11.4
FP2: XP11.3
FP3: XP11.2
FP4: XP11.1
GK_LED: HL10.2 U1.39
GND: BT1.13 BT1.21 BT1.22 C1.1 C2.2 C3.2 C4.1 C5.1 C6.1 C7.1 C8.1 C9.1 C10.1 C11.1 C12.1 C13.1 C14.1 C15.1 C16.2 C17.2 C18.1 C19.1 C20.2 C21.2 C22.2 C23.2 C24.2 C27.2 C28.2 C29.2 C30.2 C31.1 C32.2 C33.1 C40.1 C41.1 C42.2 C43.2 C47.1 C52.1 C53.1 D1.A D2.A DA1.1 DA2.1 G1.2 G1.4 HL17.1 J1.A1 J1.A12 J1.B1 J1.B12 J1.S1 J1.S2 J1.S3 J1.S4 R2.1 R3.1 R13.1 R15.1 R18.1 R19.1 R22.2 R23.1 R24.1 R25.1 R26.1 R27.1 R28.1 R29.1 R30.1 R31.1 R32.1 R33.1 R34.1 R35.1 R38.1 R41.1 R42.1 R43.1 R45.1 R46.1 R47.1 R50.1 R52.1 R59.1 R61.1 R67.1 R68.1 R71.1 R72.1 R73.1 SB1.1 SB1.2 SB2.1 SB2.2 SW1.3 SW2.3 SW3.3 SW4.3 U1.10 U1.20 U1.27 U1.74 U1.99 U2.1 U2.7 U2.9 U3.1 U3.7 U3.9 U4.1 U4.7 U4.9 U5.1 U5.7 U5.9 U6.1 U6.7 U6.9 U7.1 U7.7 U7.9 U8.1 U8.7 U8.9 U9.1 U9.7 U9.9 U10.12 VD1.A VD2.A VD3.A VD4.A VT1.3 VT2.S VT4.S XP1.1 XP2.1 XP3.2 XP4.2 XP7.1 XP8.2 XP9.1 XP10.1 XP12.2 XP13.2 XP14.1 XP15.1 XP20.1 XP21.2 XP22.2
GOAL_SW: R41.2 SW3.2 U1.93
IMU_RX: U1.47 XP10.2
IMU_TX: U1.48 XP10.3
KICK_IN: R18.2 U1.24 VT1.2 VT1.4
LB_IN1: U1.33 XP1.2
LB_IN2: U1.34 XP1.3
LB_IN3: U1.63 XP1.4
LB_IN4: U1.64 XP1.5
LB_OUT1: U1.35 XP1.6
LB_OUT2: U1.36 XP1.7
LED1: HL1.2 U1.43
LED2: HL4.2 U1.44
LED3: HL7.2 U1.45
M1_IN1: U1.4
M1_IN2: R6.1 U2.3 U3.3
M1_OUT1: U2.6 U3.6 XP16.2
M1_OUT2: U2.8 U3.8 XP16.1
M2_IN1: R5.1 U4.2 U5.2
M2_IN2: U1.32
M2_OUT1: U4.6 U5.6 XP17.2
M2_OUT2: U4.8 U5.8 XP17.1
M3_IN1: R9.1 U8.2 U9.2
M3_IN2: R11.1 U8.3 U9.3
M3_OUT1: U6.6 U7.6 XP19.2
M3_OUT2: U6.8 U7.8 XP19.1
M4_IN1: R8.1 U6.2 U7.2
M4_IN2: U1.62
MTR_ON: R42.2 SW4.2
MV_RX: U1.86 XP9.3
MV_TX: U1.87 XP9.2
NetBT1_1: BT1.1 R69.1
NetBT1_2: BT1.2 R70.1
NetBT1_3: BT1.3
NetBT1_4: BT1.4
NetBT1_5: BT1.5
NetBT1_6: BT1.6
NetBT1_7: BT1.7
NetBT1_8: BT1.8
NetBT1_9: BT1.9
NetBT1_10: BT1.10
NetBT1_11: BT1.11
NetBT1_14: BT1.14
NetBT1_15: BT1.15
NetBT1_16: BT1.16
NetBT1_17: BT1.17
NetBT1_18: BT1.18
NetBT1_19: BT1.19
NetBT1_20: BT1.20
NetBT1_23: BT1.23
NetBT1_24: BT1.24
NetBT1_25: BT1.25
NetBT1_26: BT1.26
NetBT1_27: BT1.27
NetBT1_28: BT1.28
NetBT1_29: BT1.29
NetBT1_30: BT1.30
NetBT1_31: BT1.31 HL18.2
NetBT1_32: BT1.32 HL19.2
NetBT1_33: BT1.33@433.113,194.287
NetC25_1: C25.1 DA1.4
NetC26_1: C26.1 DA2.4
NetC34_1: C34.1 C36.2 C38.1 DA1.2
NetC34_2: C34.2 C36.1 C38.2 L1.2 R12.2 R16.1
NetC35_1: C35.1 C37.2 C39.1 DA2.2
NetC35_2: C35.2 C37.1 C39.2 L2.2 R14.2 R17.1
NetC40_2: C40.2 U1.73
NetC41_2: C41.2 U1.49
NetC42_1: C42.1 G1.3 U1.12
NetC43_1: C43.1 G1.1 U1.13
NetC44_1: C44.1 C45.1 R37.2 VT4.D VT5.G
NetC44_2: C44.2 R36.2 SB1.3 SB1.4 VD6.K
NetC46_1: C46.1 R39.2 VT4.G
NetD1_K: D1.K R49.1 R50.2 R53.2
NetD2_K: D2.K R54.1 R55.2
NetDA1_3: DA1.3 L1.1 VD3.K
NetDA2_3: DA2.3 L2.1 VD4.K
NetHL1_1: HL1.1 R23.2
NetHL2_1: HL2.1 R24.2
NetHL3_1: HL3.1 R25.2
NetHL4_1: HL4.1 R26.2
NetHL5_1: HL5.1 R27.2
NetHL6_1: HL6.1 R28.2
NetHL7_1: HL7.1 R29.2
NetHL8_1: HL8.1 R30.2
NetHL9_1: HL9.1 R31.2
NetHL10_1: HL10.1 R32.2
NetHL11_1: HL11.1 R33.2
NetHL12_1: HL12.1 R34.2
NetHL13_1: HL13.1 U10.2
NetHL13_2: HL13.2 R62.1
NetHL14_1: HL14.1 U10.1
NetHL14_2: HL14.2 R63.1
NetHL15_1: HL15.1 U10.14
NetHL15_2: HL15.2 R64.1
NetHL16_1: HL16.1 U10.13
NetHL16_2: HL16.2 R65.1
NetHL17_2: HL17.2 R66.1
NetHL18_1: HL18.1 R71.2
NetHL19_1: HL19.1 R72.2
NetJ1_A4: J1.A4
NetJ1_A5: J1.A5
NetJ1_A8: J1.A8
NetJ1_A9: J1.A9
NetJ1_B4: J1.B4
NetJ1_B5: J1.B5
NetJ1_B8: J1.B8
NetJ1_B9: J1.B9
NetR1_1: R1.1 XP3.1
NetR12_1: R12.1 R13.2
NetR14_1: R14.1 R15.2
NetR19_2: R19.2 U1.94
NetR21_1: R21.1 R22.1 VT1.5 VT1.7
NetR21_2: R21.2 VT2.G VT3.G
NetR39_1: R39.1 R40.1 VD6.A
NetR48_1: R48.1 R49.2
NetR55_1: R55.1 R56.2 U10.5
NetR56_1: R56.1 R57.2 U10.7
NetR57_1: R57.1 R58.2 U10.9
NetR58_1: R58.1 R59.2 U10.11
NetR60_1: R60.1 R61.2 U10.4 U10.6 U10.8 U10.10
NetU1_1: U1.1
NetU1_2: U1.2
NetU1_3: U1.3
NetU1_7: U1.7
NetU1_8: U1.8
NetU1_9: U1.9
NetU1_23: U1.23
NetU1_37: U1.37
NetU1_38: U1.38
NetU1_46: U1.46
NetU1_51: U1.51
NetU1_52: U1.52
NetU1_55: U1.55
NetU1_56: U1.56
NetU1_57: U1.57
NetU1_58: U1.58
NetU1_59: U1.59
NetU1_60: U1.60
NetU1_65: U1.65
NetU1_66: U1.66
NetU1_67: U1.67
NetU1_68: U1.68
NetU1_69: U1.69
NetU1_70: U1.70
NetU1_71: U1.71
NetU1_77: U1.77
NetU1_81: U1.81
NetU1_85: U1.85
NetU1_88: U1.88
NetU1_89: U1.89
NetU1_90: U1.90
NetU1_92: U1.92
NetU1_97: U1.97
NetU1_98: U1.98
RESET_BTN: C47.2 R20.2 R44.1 SB2.3 SB2.4 U1.14
RESET_IMU: C50.2 R46.2 SB5.3 SB5.4 U1.91
ROLE_SW: R38.2 SW2.2 U1.95
SOL2: VD5.A VT2.D XP6.2
ST_LED: HL8.2 U1.40
SW1: R35.2 SW1.2 U1.96
SWCLK: J1.A7 J1.B7 U1.76 VD1.K XP8.3
SWDIO: J1.A6 J1.B6 U1.72 VD2.K XP8.1
TB_IN1: U1.15 XP2.2
TB_IN2: U1.16 XP2.3
TB_IN3: U1.17 XP2.4
TB_IN4: U1.18 XP2.5
TB_OUT1: U1.29 XP2.6
TB_OUT2: U1.30 XP2.7
Vbat: C3.1 C45.2 C52.2 R36.1 R37.1 R51.2 R54.2 R60.2 U10.3 VT5.S XP20.2
VBAT_ADC: R51.1 R52.2
YG_LED: HL5.2 U1.42
pads on no net: BT1.33@419.913,196.787 BT1.34@418.813,196.787 C16. C17. C36. C37. G1.0 HL12.2 J1. R4.1 R7.1 R10.1 U1.5 U1.31 U1.53 U1.54 U1.61 U2.2 U3.2 U4.3 U5.3 U6.3 U7.3 U8.6 U8.8 U9.6 U9.8 VT1.1 VT1.8 VT2. VT3. VT5. XP18.1 XP18.2